# Allegro board BeagleBoard-xM.brd
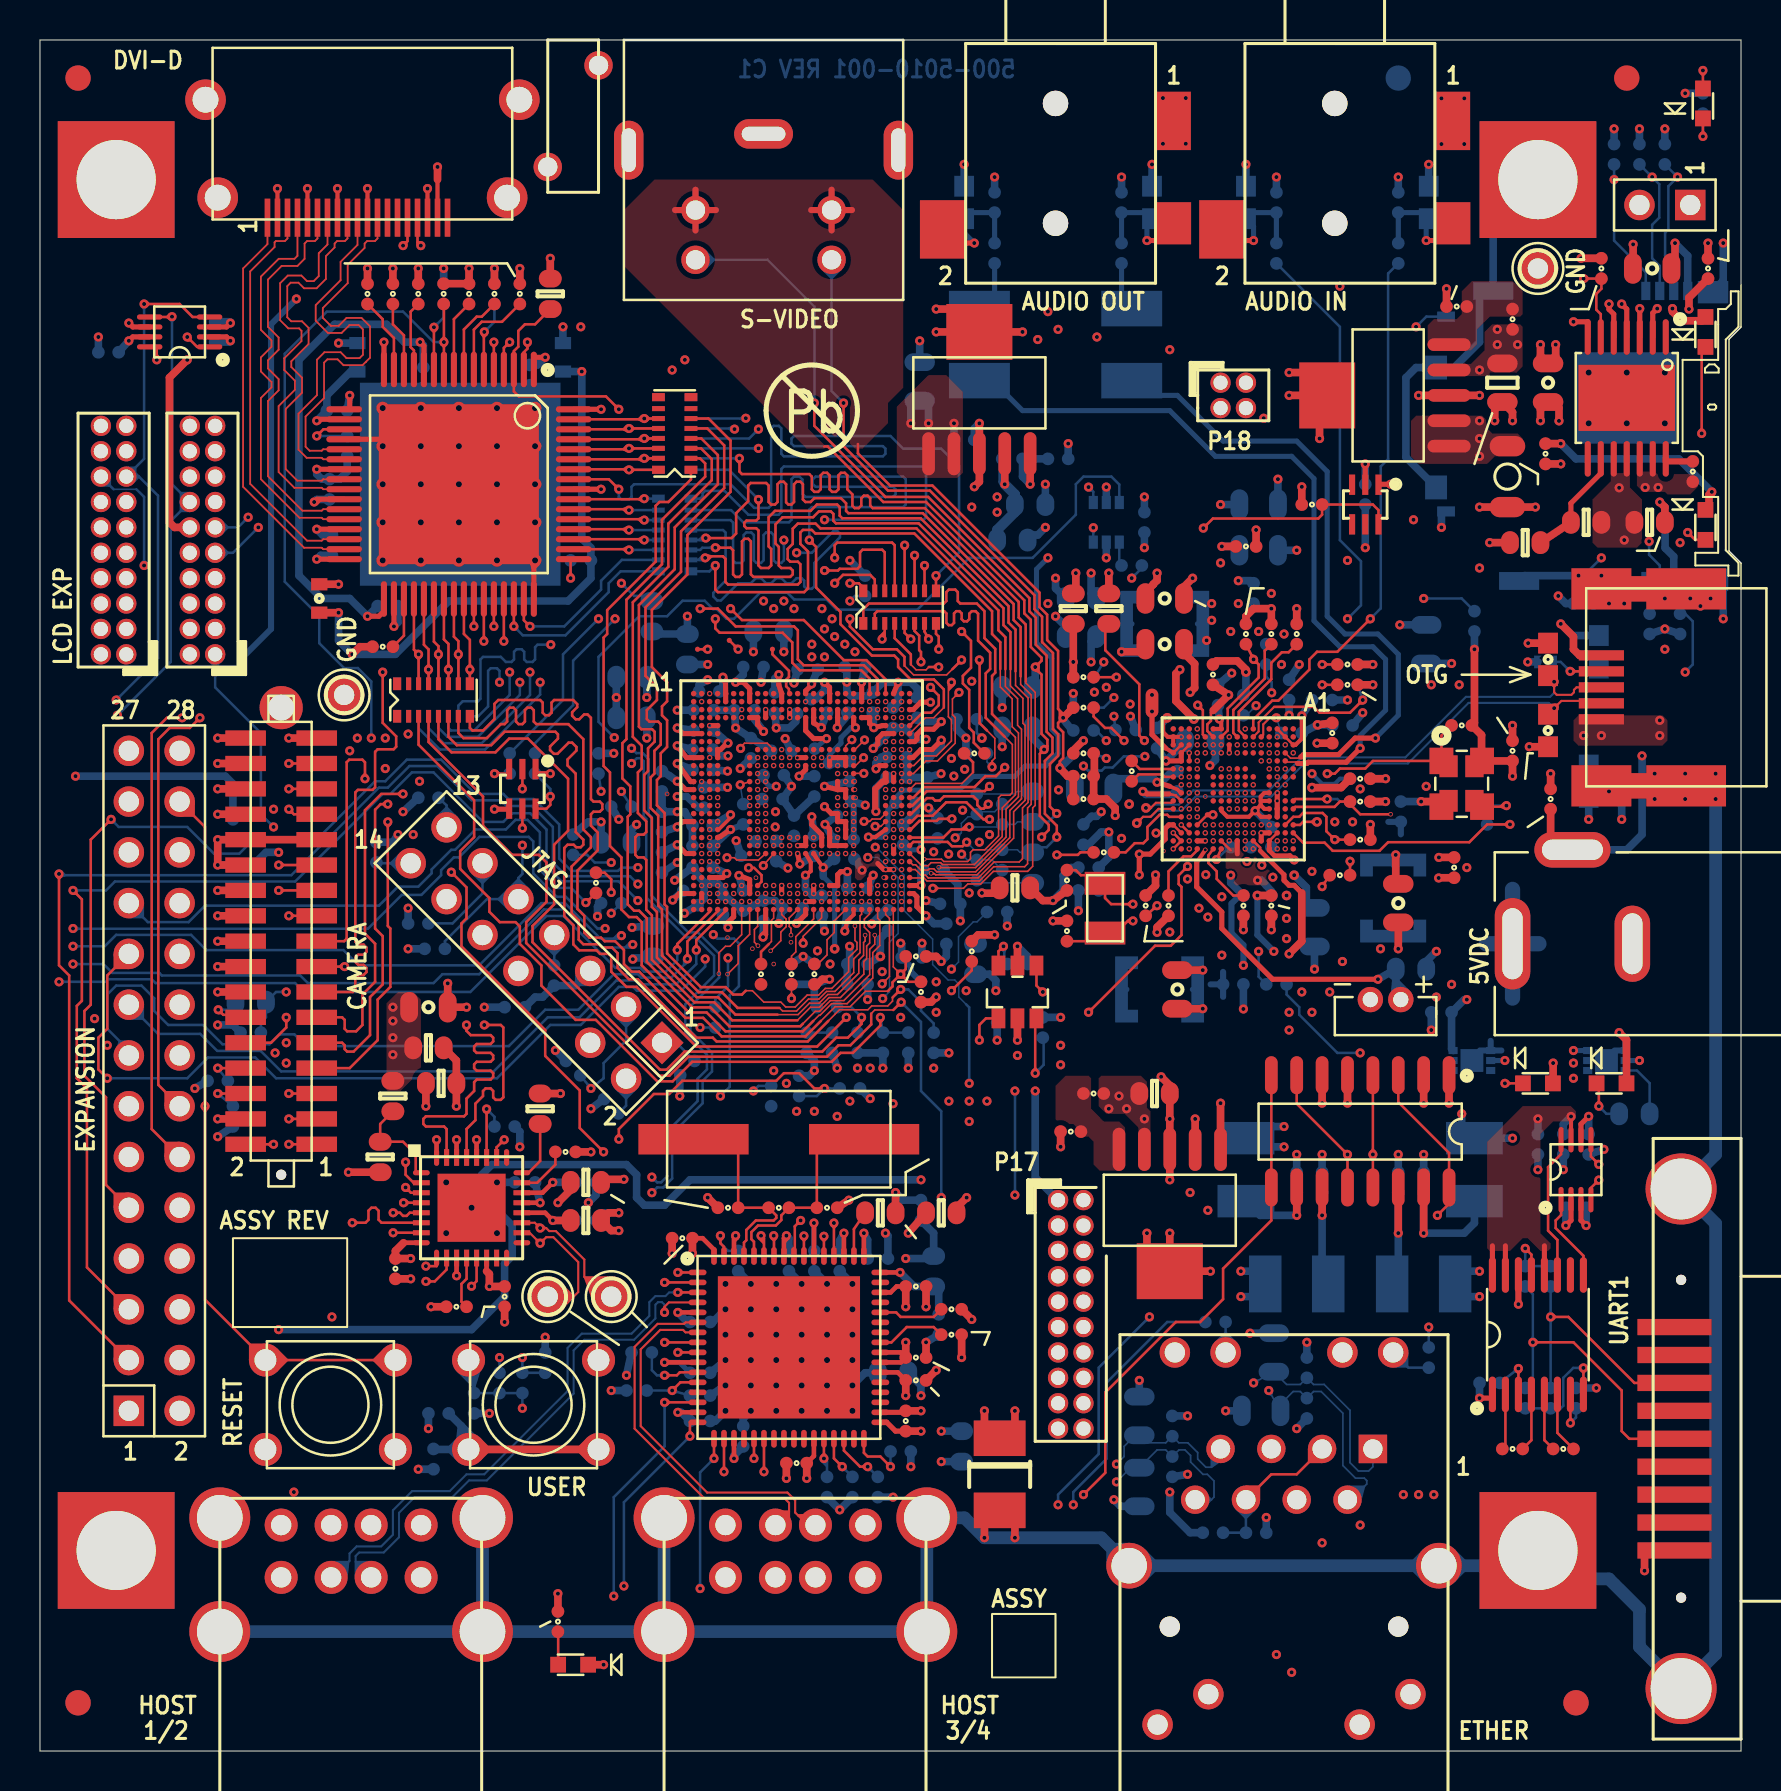
[diagram p0: board, top side]
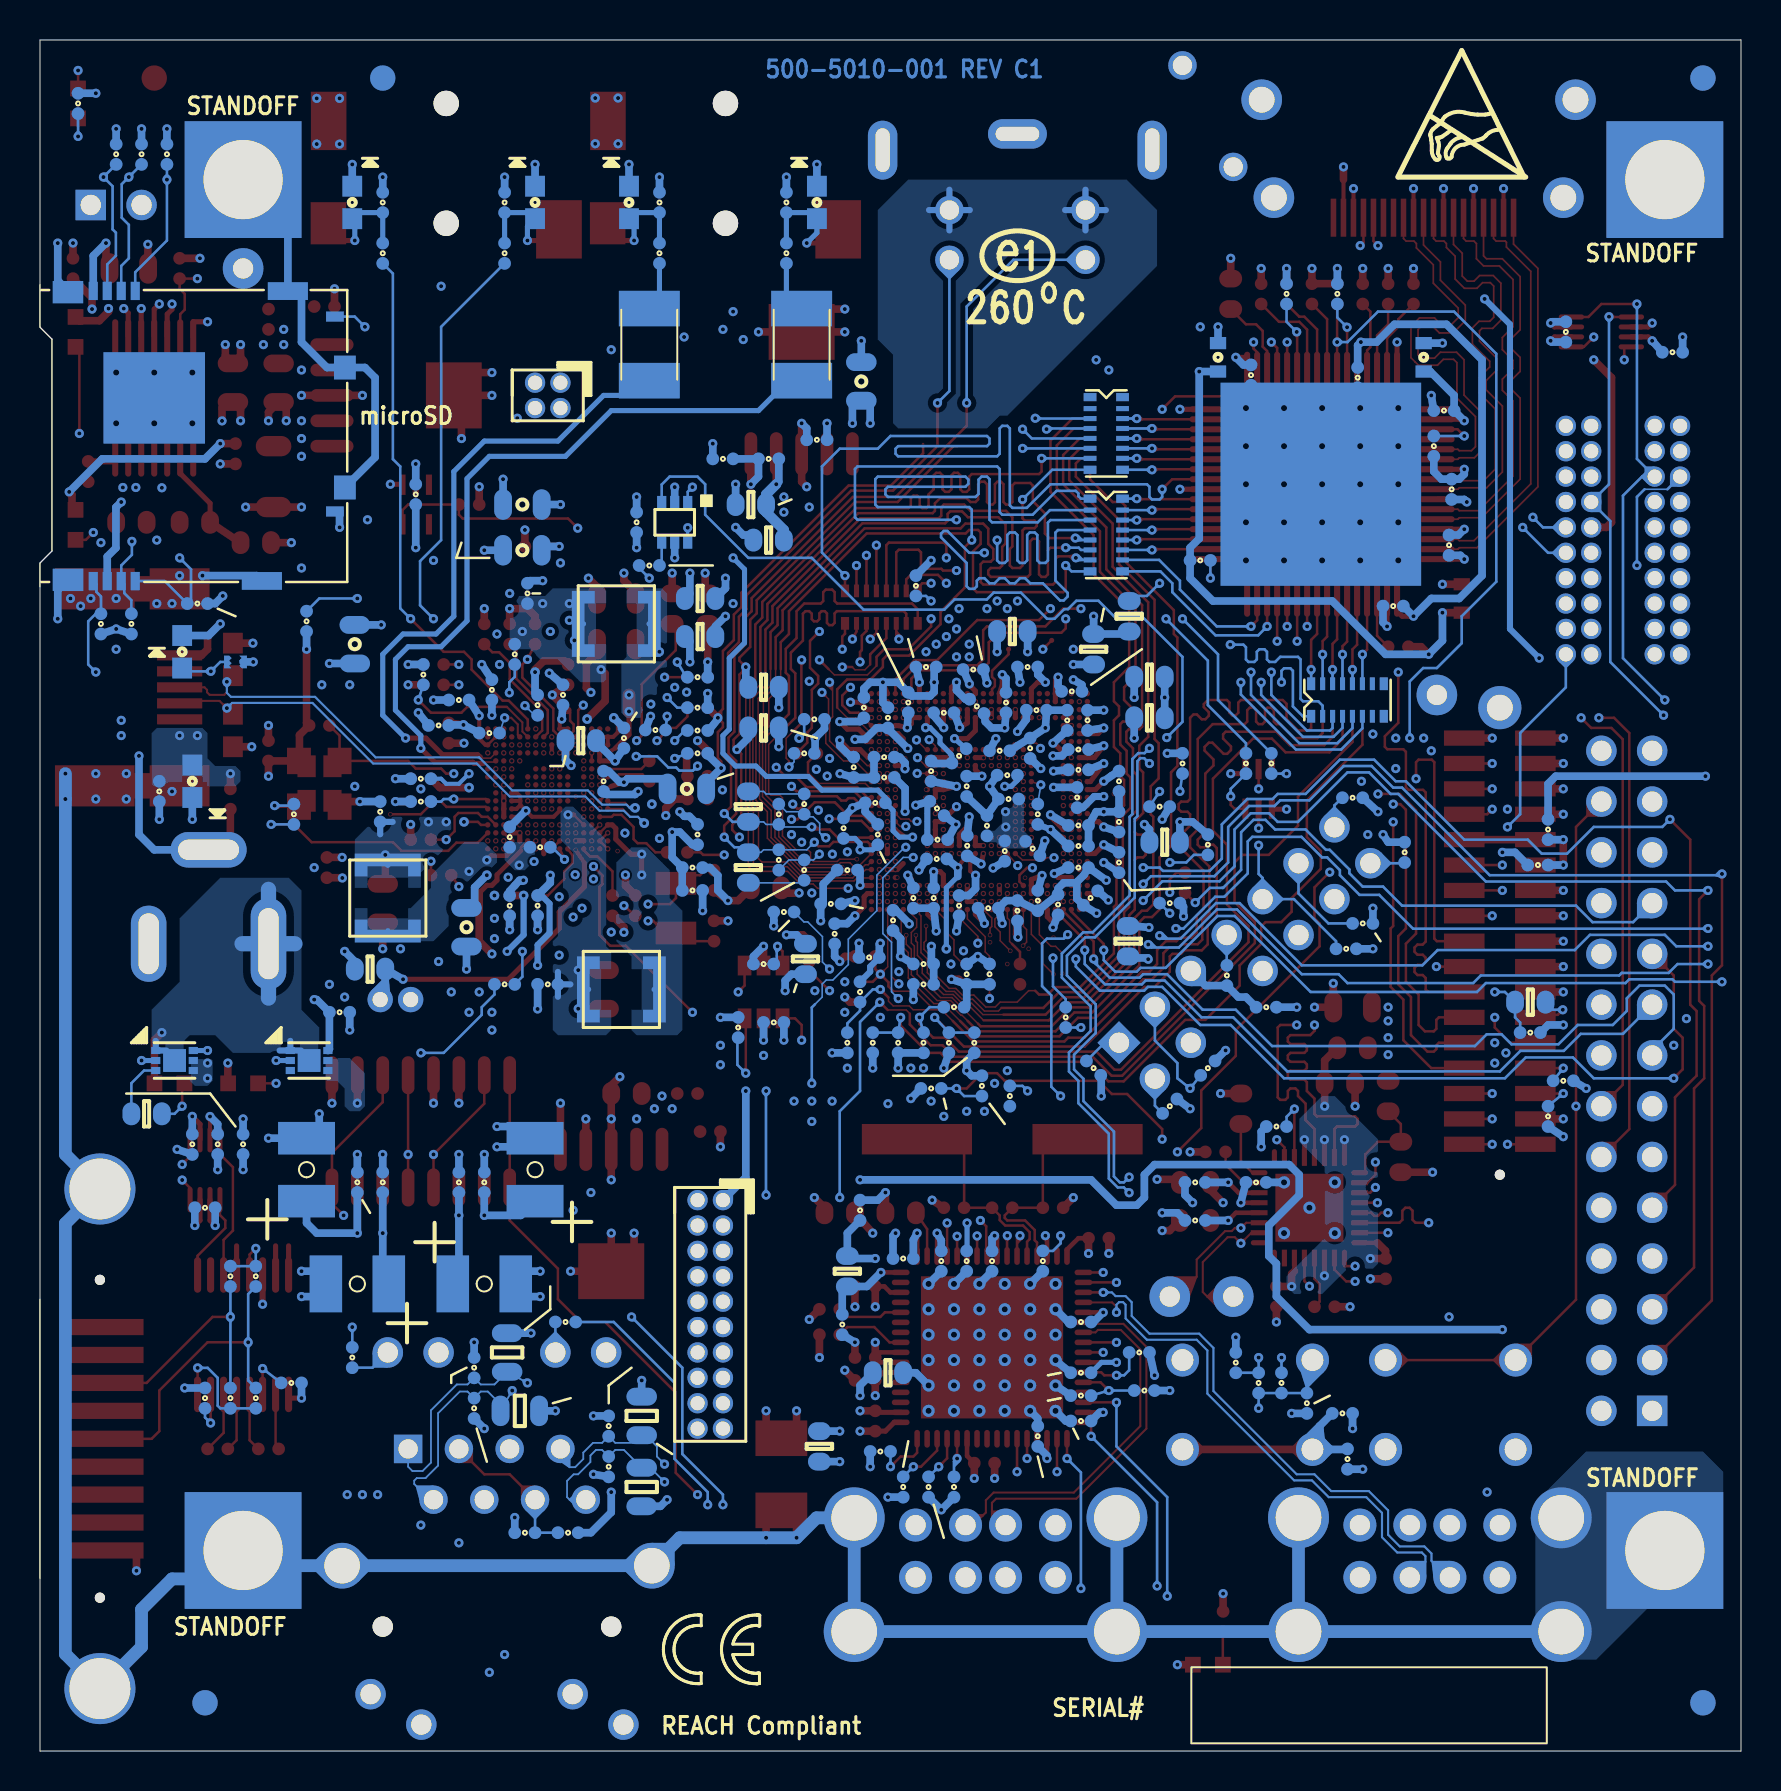
[diagram p1: board, bottom side, seen from below]

Outline 85.09 x 85.6 mm; copper layers: TOP, LYR2-GND, LYR3-SIG, LYR4-SIG, LYR5-PWR, BOTTOM. Coordinates in mm from the lower left corner of the outline.
Outline path: 0,85.6 0,0 85.09,0 85.09,59.43 84.49,60.03 84.49,70.63 85.09,71.23 85.09,85.6 0,85.6

## Design rules (mm)
net group CAM_WEN: nets CAM_WEN CMOS_OE
net group DSS_ACBIAS: nets DSS_ACBIAS DVI_DEN
net group DSS_D6: nets DSS_D6 DVI_DATA6
net group DSS_D7: nets DSS_D7 DVI_DATA7
net group DSS_D8: nets DSS_D8 DVI_DATA8
net group DSS_D9: nets DSS_D9 DVI_DATA9
net group DSS_D10: nets DSS_D10 DVI_DATA10
net group DSS_D11: nets DSS_D11 DVI_DATA11
net group DSS_D12: nets DSS_D12 DVI_DATA12
net group DSS_D13: nets DSS_D13 DVI_DATA13
net group DSS_D14: nets DSS_D14 DVI_DATA14
net group DSS_D15: nets DSS_D15 DVI_DATA15
net group DSS_D16: nets DSS_D16 DVI_DATA16
net group DSS_D17: nets DSS_D17 DVI_DATA17
net group DSS_D18: nets DSS_D18 DVI_DATA18
net group DSS_D19: nets DSS_D19 DVI_DATA19
net group DSS_D20: nets DSS_D20 DVI_DATA20
net group DSS_D21: nets DSS_D21 DVI_DATA21
net group DSS_D22: nets DSS_D22 DVI_DATA22
net group DSS_D23: nets DSS_D23 DVI_DATA23
net group DSS_HSYNC: nets DSS_HSYNC DVI_HSYNC
net group DSS_VSYNC: nets DSS_VSYNC DVI_VSYNC
net group HSMIC: nets HSMIC.M HSMIC.P
net group HSUSB_IN: nets HSUSB_DN HSUSB_DP
net group RX: nets RXN RXP
net group TX: nets TXN TXP
net group UART3_X: nets UART3_RX UART3_TX
net group USB2HS_CLK: nets USB2HS_CLK USB_CLK
net group USBD0: nets USBDM0 USBDP0
net group USBD2: nets USBDM2 USBDP2
net group USBD3: nets USBDM3 USBDP3
net group USBD4: nets USBDM4 USBDP4
net group USBD5: nets USBDM5 USBDP5
net group CAM: nets CAM_CLKA CAM_D0 CAM_D1 CAM_D2 CAM_D3 CAM_D4 CAM_D5 CAM_D6 CAM_D7 CAM_D8 CAM_D9 CAM_D10 CAM_D11 CAM_FLD CAM_HS CAM_PCLK CAM_VS
net group CLK: nets CLK256FS CLK_REQ DSS_PCLK DVI_CLK+ HFCLK_26MHZ HFCLK_OUT HFCLKOUT MCBSP1_CLKR MCBSP1_CLKX MCBSP2_CLKX MCBSP3_CLKX MCBSP_CLKS MMC1_CLKO MMC_CLK SDC_CLK USB0HS_CLK USB0HS_NXT USB0HS_STP
net group DSS_D0: nets DSS_D0 DSS_DX0 DVI_DATA0
net group DSS_D1: nets DSS_D1 DSS_DX1 DVI_DATA1
net group DSS_D2: nets DSS_D2 DSS_DX2 DVI_DATA2
net group DSS_D3: nets DSS_D3 DSS_DX3 DVI_DATA3
net group DSS_D4: nets DSS_D4 DSS_DX4 DVI_DATA4
net group DSS_D5: nets DSS_D5 DSS_DX5 DVI_DATA5
net group HDMI_TX: nets TXC+ TXC- TXD0+ TXD0- TXD1+ TXD1- TXD2+ TXD2-
net group MCC-CONN: nets MMC3_CLK MMC3_CMD MMC3_DAT0 MMC3_DAT1 MMC3_DAT2 MMC3_DAT3 MMC3_DAT4 MMC3_DAT5 MMC3_DAT6 MMC3_DAT7
net group OMAP-TO-U7: nets USB2HS_DAT3 USB2HS_DAT4 USB2HS_DAT5 USB2HS_DAT6 USB2HS_DAT7
net group OMAP-USB2HS: nets USB2HS_DAT0 USB2HS_DAT1 USB2HS_DAT2 USB2HS_DIR USB2HS_NXT USB2HS_STP
net group POWER: nets 3V3_ADJ 232OE DC_5V DC_5V_USB DC_IN DVI_+5V DVI_DVDD DVI_PVDD GND GND_EARTH HUB_3V3 HUB_3V3A MEM_1V8 MEM_ADJ MEM_BOOST N18763702 N28217649 NUSB_PWR NUSBHOST_PWR_EN TVDD U16_FB USB33_VBUS USB33_VDD3.3 USB_1V8 USB_1V8F VBAT VBAT_FB VBAT_MAIN VBUS1 VBUS2 VBUS3 VBUS4 VBUS_5V0 VDD1 VDD18CORE VDD18ETHPLL VDD18USBPLL VDD_MMC1 VIO_1V8
net group USB0HS: nets USB0HS_DAT0 USB0HS_DAT1 USB0HS_DAT2 USB0HS_DAT3 USB0HS_DAT4 USB0HS_DAT5 USB0HS_DAT6 USB0HS_DAT7 USB0HS_DIR

## Placement (name value [footprint] x y rotation side)
BT1  BAT_LI_RTC  [BATT_MS412FE-FL26E_THRU]  67.31 37.59 270 top
C3  0.1uF,10V  [C402-25]  79.12 48.01 270 bottom
C5  10uF,CER,0805,6.3V  [C0805]  75.44 68.45 90 top
C6  10uF,CER,1206,25V  [C1206]  73.41 63.75 270 top
C7  0.1uF,10V  [C402-25]  75.31 64.9 270 top
C8  0.1uF,10V  [C402-25]  23.75 37.21 180 bottom
C9  0.1uF,10V,DNI  [C402-25]  43.18 45.85 90 bottom
C10  47pF  [R402-25RD]  46.86 44.07 270 bottom
C11  47pF  [R402-25RD]  46.86 47.37 90 bottom
C12  0.1uF,10V  [C402-25]  48.39 36.45 0 bottom
C13  4.7uF,6.3V,0603  [R603-35X45]  29.59 53.72 180 bottom
C14  0.1uF,10V  [C402-25]  35.43 45.15 45 bottom
C15  0.1uF,10V  [C402-25]  36.7 48.82 180 bottom
C16  4.7uF,6.3V,0603  [R603-35X45]  30.66 40.51 270 bottom
C17  0.1uF,10V  [C402-25]  36.64 47.62 180 bottom
C18  4.7uF,6.3V,0603  [R603-35X45]  29.59 51.69 180 bottom
C19  0.1uF,10V  [C402-25]  36.83 45.02 90 bottom
C20  0.1uF,10V  [C402-25]  35.56 50.16 270 bottom
C21  4.7uF,6.3V,0603  [R603-35X45]  48.9 53.21 0 bottom
C22  4.7uF,6.3V,0603  [R603-35X45]  32.38 55.12 90 bottom
C23  4.7uF,6.3V,0603  [R603-35X45]  28.83 45.47 180 bottom
C24  0.1uF,10V  [C402-25]  37.08 50.04 0 bottom
C25  0.1uF,10V  [C402-25]  43.88 52.2 270 bottom
C26  0.1uF,10V  [C402-25]  33.15 50.1 180 bottom
C27  0.1uF,10V  [C402-25]  33.21 47.7 270 bottom
C28  0.1uF,10V  [C402-25]  39.88 51.94 180 bottom
C29  0.1uF,10V  [C402-25]  36.77 52.45 90 bottom
C30  0.1uF,10V  [C402-25]  33.48 53.01 0 bottom
C31  0.1uF,10V  [C402-25]  37.72 46.29 270 bottom
C32  0.1uF,10V  [C402-25]  34.16 42.34 270 bottom
C33  0.1uF,10V  [C402-25]  31.11 46.48 270 bottom
C34  0.1uF,10V  [C402-25]  40.77 54.23 0 bottom
C35  0.1uF,10V  [C402-25]  38.23 52.26 45 bottom
C36  0.1uF,10V  [C402-25]  35.69 54.23 180 bottom
C37  0.1uF,10V  [C402-25]  32.69 51.56 270 bottom
C38  0.1uF,10V  [C402-25]  33.71 51.56 270 bottom
C39  4.7uF,6.3V,0603  [R603-35X45]  48.9 51.18 0 bottom
C40  0.1uF,10V  [C402-25]  35.24 52.07 0 bottom
C41  0.1uF,10V  [C402-25]  39.12 49.78 135 bottom
C42  0.1uF,10V  [C402-25]  40.39 42.67 90 bottom
C43  0.1uF,10V  [C402-25]  40.22 47.16 225 bottom
C44  4.7uF,6.3V,0603  [R603-35X45]  36.45 56.01 0 bottom
C45  0.1uF,10V  [C402-25]  37.59 38.86 90 bottom
C46  0.1uF,10V  [C402-25]  40.51 49.02 270 bottom
C47  0.1uF,10V  [C402-25]  40.2 45.59 180 bottom
C48  0.1uF,10V  [C402-25]  38.4 54.1 0 bottom
C49  0.1uF,10V  [C402-25]  45.34 40.88 90 bottom
C50  0.1uF,10V  [C402-25]  44.39 49.21 90 bottom
C51  0.1uF,10V  [C402-25]  33.15 49.09 180 bottom
C52  0.1uF,10V  [C402-25]  44.7 44.07 180 bottom
C53  0.1uF,10V  [C402-25]  41.66 52.45 270 bottom
C54  0.1uF,10V  [C402-25]  42.86 48.7 180 bottom
C55  4.7uF,6.3V,0603  [R603-35X45]  46.8 39.62 270 bottom
C56  0.1uF,10V  [C402-25]  31.11 44.45 270 bottom
C57  0.1uF,10V  [C402-25]  31.11 48.51 270 bottom
C58  0.1uF,10V  [C402-25]  37.66 42.16 180 bottom
C59  0.1uF,10V  [C402-25]  36.2 42.04 90 bottom
C60  0.1uF,10V  [C402-25]  32.54 42.67 315 bottom
C61  0.1uF,10V  [C402-25]  42.67 51.69 270 bottom
C62  0.1uF,10V  [C402-25]  33.15 44.2 0 bottom
C63  0.1uF,10V  [C402-25]  38.73 38.86 90 bottom
C64  0.1uF,10V  [C402-25]  41.4 42.67 90 bottom
C65  0.1uF,10V  [C402-25]  35.18 42.55 90 bottom
C66  0.1uF,10V  [C402-25]  33.15 45.28 0 bottom
C67  0.1uF,10V  [C402-25]  43.61 39.7 180 bottom
C68  0.1uF,10V  [C402-25]  42.86 49.72 0 bottom
C69  0.1uF,10V  [C402-25]  38.71 45.29 90 bottom
C70  0.1uF,10V  [C402-25]  46.86 49.91 180 bottom
C71  0.1uF,10V  [C402-25]  38.73 48.26 90 bottom
C72  0.1uF,10V  [C402-25]  40.23 44.63 180 bottom
C73  1uF,10V  [C402-25]  45.53 42.38 180 bottom
C74  1uF,10V  [C402-25]  42.42 41.55 90 bottom
C75  0.1uF,10V  [C402-25]  43.31 47.43 0 bottom
C76  0.1uF,10V  [C402-25]  40.89 39.37 0 bottom
C77  4.7uF,6.3V,0603  [R603-35X45]  48.77 43.18 0 top
C78  0.1uF,10V  [C402-25]  40.89 38.35 0 bottom
C79  1uF,10V  [C402-25]  39.12 42.29 270 bottom
C80  1uF,10V  [C402-25]  33.15 46.3 180 bottom
C81  1uF,10V  [C402-25]  46.36 51.61 180 bottom
C82  0.001uF  [C402-25]  38.73 38.86 270 top
C83  0.1uF,10V  [C402-25]  52.2 48.77 180 top
C84  0.1uF,10V  [C402-25]  52.45 44.2 180 bottom
C85  0.1uF,10V  [C402-25]  73.66 50.04 90 top
C86  4.7uF,6.3V,0603  [R603-35X45]  51.69 57.15 270 top
C87  47uF,CER  [C1210-70X102]  54.61 70.36 270 bottom
C88  47uF,CER  [C1210-70X102]  46.99 70.36 270 bottom
C89  47pF  [R402-25RD]  47.75 77.47 90 bottom
C90  47pF  [R402-25RD]  54.1 77.47 90 bottom
C91  0.1uF,10V  [C402-25]  56.45 42.29 90 top
C92  100pF  [C402-25]  65.41 54.36 0 top
C93  100pF  [C402-25]  65.41 53.34 0 top
C94  100pF  [C402-25]  65.91 53.85 270 bottom
C95  100pF  [C402-25]  62.61 50.93 180 bottom
C96  100pF  [C402-25]  62.87 55.88 270 top
C97  100pF  [C402-25]  61.59 55.88 270 top
C98  0.1uF,10V  [C402-25]  67.95 74.93 90 bottom
C99  0.1uF,10V  [C402-25]  61.85 74.93 90 bottom
C100  47pF  [R402-25RD]  67.95 77.47 90 bottom
C101  47pF  [R402-25RD]  61.85 77.47 90 bottom
C102  22PF  [C402-25]  51.37 43.56 90 top
C103  22PF  [C402-25]  51.37 41.02 270 top
C104  0.1uF,10V  [C402-25]  52.2 53.72 180 top
C105  4.7uF,6.3V,0603  [R603-35X45]  58.04 50.55 0 bottom
C106  2.2uF,6.3V  [C402-25]  54.61 49.02 90 top
C107  0.1uF,10V  [C402-25]  66.04 48.64 0 top
C108  1uF,10V  [C402-25]  61.59 45.72 270 bottom
C109  1uF,10V  [C402-25]  55.88 50.67 90 bottom
C110  0.1uF,10V  [C402-25]  68.07 46.99 90 bottom
C111  10uF,CER,0805,6.3V  [C0805]  63.75 41.21 270 bottom
C112  10uF,CER,0805,6.3V  [C0805]  67.95 42.42 270 top
C113  1uF,10V  [C402-25]  64.14 52.58 0 bottom
C114  1uF,10V  [C402-25]  56.9 48.51 270 bottom
C115  1uF,10V  [C402-25]  58.93 52.83 90 bottom
C116  1uF,10V  [C402-25]  61.59 42.29 270 bottom
C117  0.1uF,10V  [C402-25]  59.69 38.35 0 bottom
C118  10uF,CER,0805,6.3V  [C0805]  56.9 38.1 270 top
C119  10uF,CER,0805,6.3V  [C0805]  69.34 55.37 90 bottom
C120  1uF,10V  [C402-25]  60.2 42.29 270 bottom
C121  1uF,10V  [C402-25]  61.59 42.29 270 top
C122  2.2uF,6.3V  [C402-25]  58.67 53.85 90 top
C123  1uF,10V  [C402-25]  60.33 55.88 90 top
C124  1uF,10V  [C402-25]  52.2 53.72 180 bottom
C125  1uF,10V  [C402-25]  62.48 53.09 90 bottom
C126  1uF,10V  [C402-25]  65.15 51.31 180 bottom
C127  1uF,10V  [C402-25]  64.64 50.93 90 top
C128  10uF,CER,0805,6.3V  [C0805]  56.26 55.37 180 top
C129  1uF,10V  [C402-25]  52.2 49.91 180 bottom
C130  1uF,10V  [C402-25]  52.2 52.2 180 top
C131  1uF,10V  [C402-25]  52.2 51.05 180 bottom
C132  10uF,CER,0805,6.3V  [C0805]  52.73 48.13 180 bottom
C133  1uF,10V  [C402-25]  60.2 42.29 270 top
C134  1uF,10V  [C402-25]  60.07 45.21 0 bottom
C135  1uF,10V  [C402-25]  66.04 48.64 0 bottom
C136  10uF,CER,0805,6.3V  [C0805]  56.26 57.66 180 top
C137  1uF,10V  [C402-25]  60.2 52.32 90 bottom
C138  0.1uF,10V  [C402-25]  60.71 57.91 90 bottom
C139  0.1uF,10V  [C402-25]  60.33 60.26 0 top
C140  10uF,CER,0805,6.3V  [C0805]  60.96 62.36 0 bottom
C141  DNI,0.1uF,10V  [C402-25]  46.23 65.6 0 bottom
C142  DNI,10uF,CER,0805,6.3V  [C0805]  44.01 68.52 90 bottom
C143  0.1uF,10V  [C402-25]  76.2 30.35 270 bottom
C144  10uF,CER,0805,6.3V  [C0805]  80.64 74.17 180 top
C145  0.1uF,10V  [C402-25]  83.44 74.17 90 top
C146  0.1uF,10V  [C402-25]  74.93 30.35 90 bottom
C147  0.1uF,10V  [C402-25]  76.84 27.18 0 bottom
C148  0.1uF,10V  [C402-25]  73.66 15.11 0 top
C149  0.1uF,10V  [C402-25]  76.84 17.65 90 bottom
C150  0.1uF,10V  [C402-25]  76.2 15.11 0 top
C151  0.1uF,10V  [C402-25]  72.52 18.41 180 bottom
C152  0.1uF,10V  [C402-25]  14.86 67.06 0 bottom
C153  0.1uF,10V  [C402-25]  14.61 60.33 270 bottom
C154  0.1uF,10V  [C402-25]  14.48 63.12 270 bottom
C155  0.1uF,10V  [C402-25]  17.4 57.28 0 bottom
C156  0.1uF,10V  [C402-25]  19.18 68.71 270 bottom
C157  0.1uF,10V  [C402-25]  24.51 68.83 270 bottom
C158  0.1uF,10V  [C402-25]  3.43 69.98 180 bottom
C159  0.1uF,10V  [C402-25]  8.76 70.99 90 bottom
C160  100UF  [C3528-64X112]  60.33 29.08 90 bottom
C161  100UF  [C3528-64X112]  62.87 23.37 180 bottom
C162  100UF  [C3528-64X112]  69.22 23.37 0 bottom
C163  100UF  [C3528-64X112]  71.75 29.08 90 bottom
C164  0.1uF,10V  [C402-25]  17.78 24.13 270 top
C165  0.1uF,10V  [C402-25]  27.3 26.54 0 bottom
C166  4.7uF,6.3V,0603  [R603-35X45]  27.3 26.54 0 top
C167  10uF,CER,0805,6.3V  [C0805]  19.43 37.21 0 top
C168  0.1uF,10V  [C402-25]  24.26 28.45 180 bottom
C169  4.7uF,6.3V,0603  [R603-35X45]  27.3 28.45 0 top
C170  0.1uF,10V  [C402-25]  69.22 28.45 90 bottom
C171  0.1uF,10V  [C402-25]  62.87 28.45 90 bottom
C172  0.1uF,10V  [C402-25]  64.14 28.45 90 bottom
C173  0.1uF,10V  [C402-25]  67.95 28.45 90 bottom
C174  0.1uF,10V  [C402-25]  33.02 17.78 0 bottom
C175  0.1uF,10V  [C402-25]  41.91 24.64 0 bottom
C176  0.1uF,10V  [C402-25]  40.01 24.51 270 bottom
C177  4.7uF,6.3V,0603  [R603-35X45]  55.75 32.89 0 top
C178  33pF  [R402-25RD]  34.42 27.18 180 top
C179  33pF  [R402-25RD]  39.37 27.18 0 top
C180  0.1uF,10V  [C402-25]  43.82 23.24 0 top
C181  0.1uF,10V  [C402-25]  43.31 16.51 90 top
C182  0.1uF,10V  [C402-25]  43.82 19.68 0 top
C183  0.1uF,10V  [C402-25]  35.18 15.75 90 bottom
C184  4.7uF,6.3V,0603  [R603-35X45]  46.1 15.24 90 bottom
C185  0.1uF,10V  [C402-25]  37.85 14.4 180 top
C186  0.1uF,10V  [C402-25]  43.82 18.54 180 top
C187  1uF,10V  [C402-25]  33.02 16.51 0 bottom
C189  10uF,CER,0805,6.3V  [C0805]  60.96 60.07 0 bottom
C190  4.7uF,6.3V,0603  [R603-35X45]  42.67 18.92 0 bottom
C191  0.1uF,10V  [C402-25]  38.73 24.51 270 bottom
C192  0.1uF,10V  [C402-25]  37.47 24.51 270 bottom
C193  0.1uF,10V  [C402-25]  32.13 25.65 180 top
C194  0.1uF,10V  [C402-25]  33.02 21.46 0 bottom
C195  0.1uF,10V  [C402-25]  33.02 18.92 0 bottom
C196  1uF,10V  [C402-25]  44.07 27.05 270 bottom
C197  0.1uF,10V  [C402-25]  44.96 21.34 270 bottom
C198  0.022uF,10V  [C402-25]  60.83 10.92 0 bottom
C199  100PF  [C402-25]  54.31 51.08 0 bottom
C200  100pF,DNI  [C402-25]  56.64 16.26 90 bottom
C201  100pF,DNI  [C402-25]  56.64 14.22 270 bottom
C202  100pF,DNI  [C402-25]  63.37 19.18 90 bottom
C203  100pF,DNI  [C402-25]  63.37 17.14 270 bottom
C204  0.1uF,10V  [C402-25]  55.25 61.47 90 bottom
C205  4.7uF,6.3V,0603  [R603-35X45]  20.07 33.4 180 top
C206  0.1uF,10V  [C402-25]  23.24 22.73 270 top
C207  4.7uF,6.3V,0603  [R603-35X45]  80.52 61.47 0 top
C209  0.1uF,10V,DNI  [C402-25]  20.83 22.23 180 top
C210  1uF,10V  [C402-25]  27.94 49.4 270 bottom
C213  1uF,10V  [C402-25]  70.74 44.2 90 top
D1  PGB0010603MR  [F603-41X39]  75.44 51.05 90 top
D2  PGB0010603MR  [F603-41X39]  77.98 54.99 270 bottom
D3  PGB0010603MR  [F603-41X39]  77.47 48.51 90 bottom
D4  PGB0010603MR  [F603-41X39]  75.44 54.61 270 top
D5  LTST-C190GKT  [LED2-31SQ]  83.19 82.42 90 top
D6  LTST-C190GKT  [LED2-31SQ]  83.31 70.99 90 top
D7  LTST-C190GKT  [LED2-31SQ]  83.31 61.34 90 top
D8  PGB0010603MR  [F603-41X39]  55.63 77.47 270 bottom
D9  PGB0010603MR  [F603-41X39]  46.23 77.47 270 bottom
D10  PGB0010603MR  [F603-41X39]  69.47 77.47 270 bottom
D11  PGB0010603MR  [F603-41X39]  60.33 77.47 270 bottom
D12  LTST-C190GKT  [LED2-31SQ]  74.93 33.4 0 top
D13  LTST-C150CKT  [LED2-31SQ]  78.61 33.4 0 top
D14  LTST-C190GKT  [LED2-31SQ]  26.67 4.32 0 top
J1  JMP  [SHORT-PAD-SMT]  75.31 54.48 0 bottom
J2  HDR2_.1x.1  [JUMP2-6040]  82.55 77.34 270 top
L2  3.3uH  [R603-35X45]  49.66 44.2 90 bottom
L3  3.3uH  [R603-35X45]  49.66 47.24 270 bottom
L4  1uH,2A,LM3015  [IND-LPS3015]  67.69 42.67 270 bottom
L5  1uH,LM3010  [IND-LPS3010]  56.01 38.1 180 bottom
L6  1uH,2A,LM3015  [IND-LPS3015]  56.26 56.39 180 bottom
L7  FERRITE, MMZ1608R301A  [IND603-24X32]  15.88 69.72 270 bottom
L8  FERRITE, MMZ1608R301A  [IND603-24X32]  13.97 57.66 90 top
L9  FERRITE, MMZ1608R301A  [IND603-24X32]  26.16 69.72 90 bottom
L10  2.0 Amp/0.05 DCR  [R603-35X45]  45.09 26.92 180 top
L11  2.0 Amp/0.05 DCR  [R603-35X45]  44.7 24 270 bottom
MH1  MHOLE  [MH230-156]  3.81 78.61 0 top
MH2  MHOLE  [MH230-156]  74.93 78.61 0 top
MH3  MHOLE  [MH230-156]  3.81 10.03 0 top
MH4  MHOLE  [MH230-156]  74.93 10.03 0 top
NOREF  -  []  3.81 10.03 0 top
NOREF#2  -  []  337.8 225.72 0 top
NOREF#3  -  [unnamed#2]  1.91 83.69 0 top
NOREF#4  -  []  -271.14 -236.35 0 top
NOREF#5  -  []  0 85.6 0 top
NOREF#6  -  []  84.49 60.03 0 top
NOREF#7  -  []  -12.7 0 0 top
NOREF#8  -  []  3.81 10.03 0 top
NOREF#9  -  []  85.09 59.43 0 top
NOREF#10  -  []  84.49 60.03 0 top
NOREF#11  -  [unnamed#2]  1.91 2.41 0 top
NOREF#12  -  [unnamed#2]  76.84 2.41 0 top
NOREF#13  -  []  0 82.42 0 top
NOREF#14  -  []  85.09 0 90 top
NOREF#15  -  []  47.62 55.75 0 top
NOREF#16  -  []  -271.14 -236.35 0 top
NOREF#17  -  []  84.49 70.63 0 top
NOREF#18  -  []  85.08 3.48 0 top
NOREF#19  -  [unnamed#2]  79.38 83.69 0 top
NOREF#20  -  []  38.73 67.18 0 top
NOREF#21  -  []  0 3.05 0 top
NOREF#22  -  []  35.13 55.75 0 top
NOREF#23  -  []  0 0 0 top
NOREF#24  -  []  78.74 82.42 0 top
NOREF#25  -  []  85.09 71.23 0 top
NOREF#26  -  []  -12.7 82.42 0 top
NOREF#27  -  []  17.14 78.74 180 bottom
NOREF#28  -  [unnamed#2]  76.84 2.41 180 bottom
NOREF#29  -  [unnamed#2]  67.95 83.69 180 bottom
NOREF#30  -  [unnamed#2]  1.91 2.41 180 bottom
NOREF#31  -  [unnamed#2]  1.91 83.69 180 bottom
NOREF#32  -  []  36.2 73.53 180 bottom
NOREF#33  -  []  -16.76 23.24 90 bottom
NOREF#34  -  []  151.77 28.19 180 bottom
NOREF#35  -  []  143.76 22.86 180 bottom
P1  mini USB-AB  [USB-MINI-SMT-NUM]  78.11 53.21 90 top
P2  CONN_PWR1_2.5MM  [CONN3-PWR-PJ102A]  73.66 40.39 0 top
P3  HDR 2x7  [JUMP2X7-6040-K6]  31.11 35.43 225 top
P4  CONN_SVideo  [CONN4-DIN-RT]  36.2 85.6 0 top
P5  PHONOJACK STEREO-R  [CUI-SJ1-3513-SMT]  50.8 82.42 270 top
P6  PHONOJACK STEREO-R  [CUI-SJ1-3513-SMT]  64.77 82.42 270 top
P7  SCHA5B0200  [SD-MICRO-SCHA5B0300]  80.33 65.79 270 bottom
P8  DSUB_FEMALE_SHORT  [CONN9-SMT-RT-190-009-263]  81.76 15.62 270 top
P9  EXP_HDR_28  [JUMP2X14-6040-1]  4.45 17.02 180 top
P10  F618-MG -D051-XX-CF358  [CONN2X17-80X30]  12.07 40.51 180 top
P11  HDR 10X2_1.27mm  [CONN2X10-4028]  4.32 54.86 90 top
P12  CONN_HDMI  [HDMI-SMT-W-FLANGE]  16.13 76.71 180 top
P13  HDR 10X2_1.27mm  [CONN2X10-4028]  8.76 54.86 90 top
P14  USB-A Conn.  [USB_STACKED2]  12.07 11.3 0 top
P15  ETHER  [RJ45-BEL-PULSE_SHLD]  66.67 15.11 0 top
P16  USB-A Conn.  [USB_STACKED2]  34.29 11.3 0 top
P17  HDR 10X2_1.27mm  [CONN2X10-4028-1]  52.2 27.56 270 bottom
P18  HDR 2X2_1.27mm  [CONN2X2-4028-1]  60.33 68.45 270 bottom
Q1  RN1907  [SC88]  24.13 48.13 180 top
Q2  RN1907  [SC88]  66.29 62.36 180 top
R1  10K  [R402-25RD]  66.04 47.5 180 bottom
R8  10K  [R402-25RD]  78.11 74.17 270 top
R9  620K,1%,0603  [R603-35X45]  77.34 61.47 180 top
R10  200K,1%,0603  [R603-35X45]  74.3 60.45 180 top
R11  10K,DNI  [R402-25RD]  75.56 47.62 270 top
R12  330  [R402-25RD]  83.19 82.42 270 bottom
R13  .1,0805  [R805-35X60]  73.15 68.45 270 top
R14  56.2K,1%  [R402-25RD]  73.66 71.63 270 top
R15  22.6K,1%  [R402-25RD]  70.87 72.26 180 top
R16  33  [R402-25RD]  46.74 49.91 180 top
R17  1K  [R402-25RD]  35.18 46.86 270 bottom
R18  4.7K  [R402-25RD]  47.88 41.97 180 bottom
R19  4.7K  [R402-25RD]  61.34 54.86 270 bottom
R20  4.7K  [R402-25RD]  41.28 58.29 270 bottom
R21  4.7K  [R402-25RD]  46.61 40.01 270 top
R22  DNI  [R402-25RD]  28.57 42.42 180 bottom
R23  510  [R402-25RD]  26.67 45.34 90 bottom
R24  10K  [R402-25RD]  16.83 44.96 270 bottom
R25  10K  [R402-25RD]  19.43 47.69 0 bottom
R26  100K  [R402-25RD]  18.92 41.4 180 bottom
R27  100K  [R402-25RD]  19.75 40.13 0 bottom
R28  100K  [R402-25RD]  25.72 38.8 270 bottom
R29  100K  [R402-25RD]  26.67 34.16 315 bottom
R30  100K  [R402-25RD]  32.38 34.16 45 bottom
R31  10K  [R402-25RD]  28.57 32.26 135 bottom
R32  1.65K,1%  [R402-25RD]  48.13 44.58 270 bottom
R33  1.65K,1%  [R402-25RD]  48.13 46.86 90 bottom
R34  4.7K  [R402-25RD]  44.89 46.16 270 bottom
R35  33  [R402-25RD]  33.78 36.7 90 bottom
R36  DNI,10K  [R402-25RD]  44.07 37.97 270 top
R37  10K  [R402-25RD]  40.89 35.43 270 bottom
R38  10K  [R402-25RD]  42.16 35.43 270 bottom
R39  330  [R402-25RD]  24.76 49.4 90 bottom
R40  330  [R402-25RD]  23.49 49.4 90 bottom
R41  10K  [R402-25RD]  25.27 19.43 90 bottom
R42  10K  [R402-25RD]  50.16 36.2 270 bottom
R43  10K  [R402-25RD]  48.9 39.37 0 bottom
R44  0,DNI  [R402-25RD]  37.59 38.86 270 top
R45  0,DNI  [R402-25RD]  36.07 38.86 270 top
R46  0,DNI  [R402-25RD]  36.58 32.77 270 bottom
R47  33  [R402-25RD]  53.21 44.96 0 top
R48  12K,1%  [R402-25RD]  52.2 49.91 0 top
R49  12K,1%  [R402-25RD]  52.2 45.85 270 bottom
R50  330  [R402-25RD]  58.8 21.46 0 bottom
R51  33  [R402-25RD]  65.02 43.81 180 top
R52  10K,1%  [R402-25RD]  52.2 47.62 180 top